# Altium PCB radxa_cm4_io_v1.10.PcbDoc (part 4 of 8) (continued)
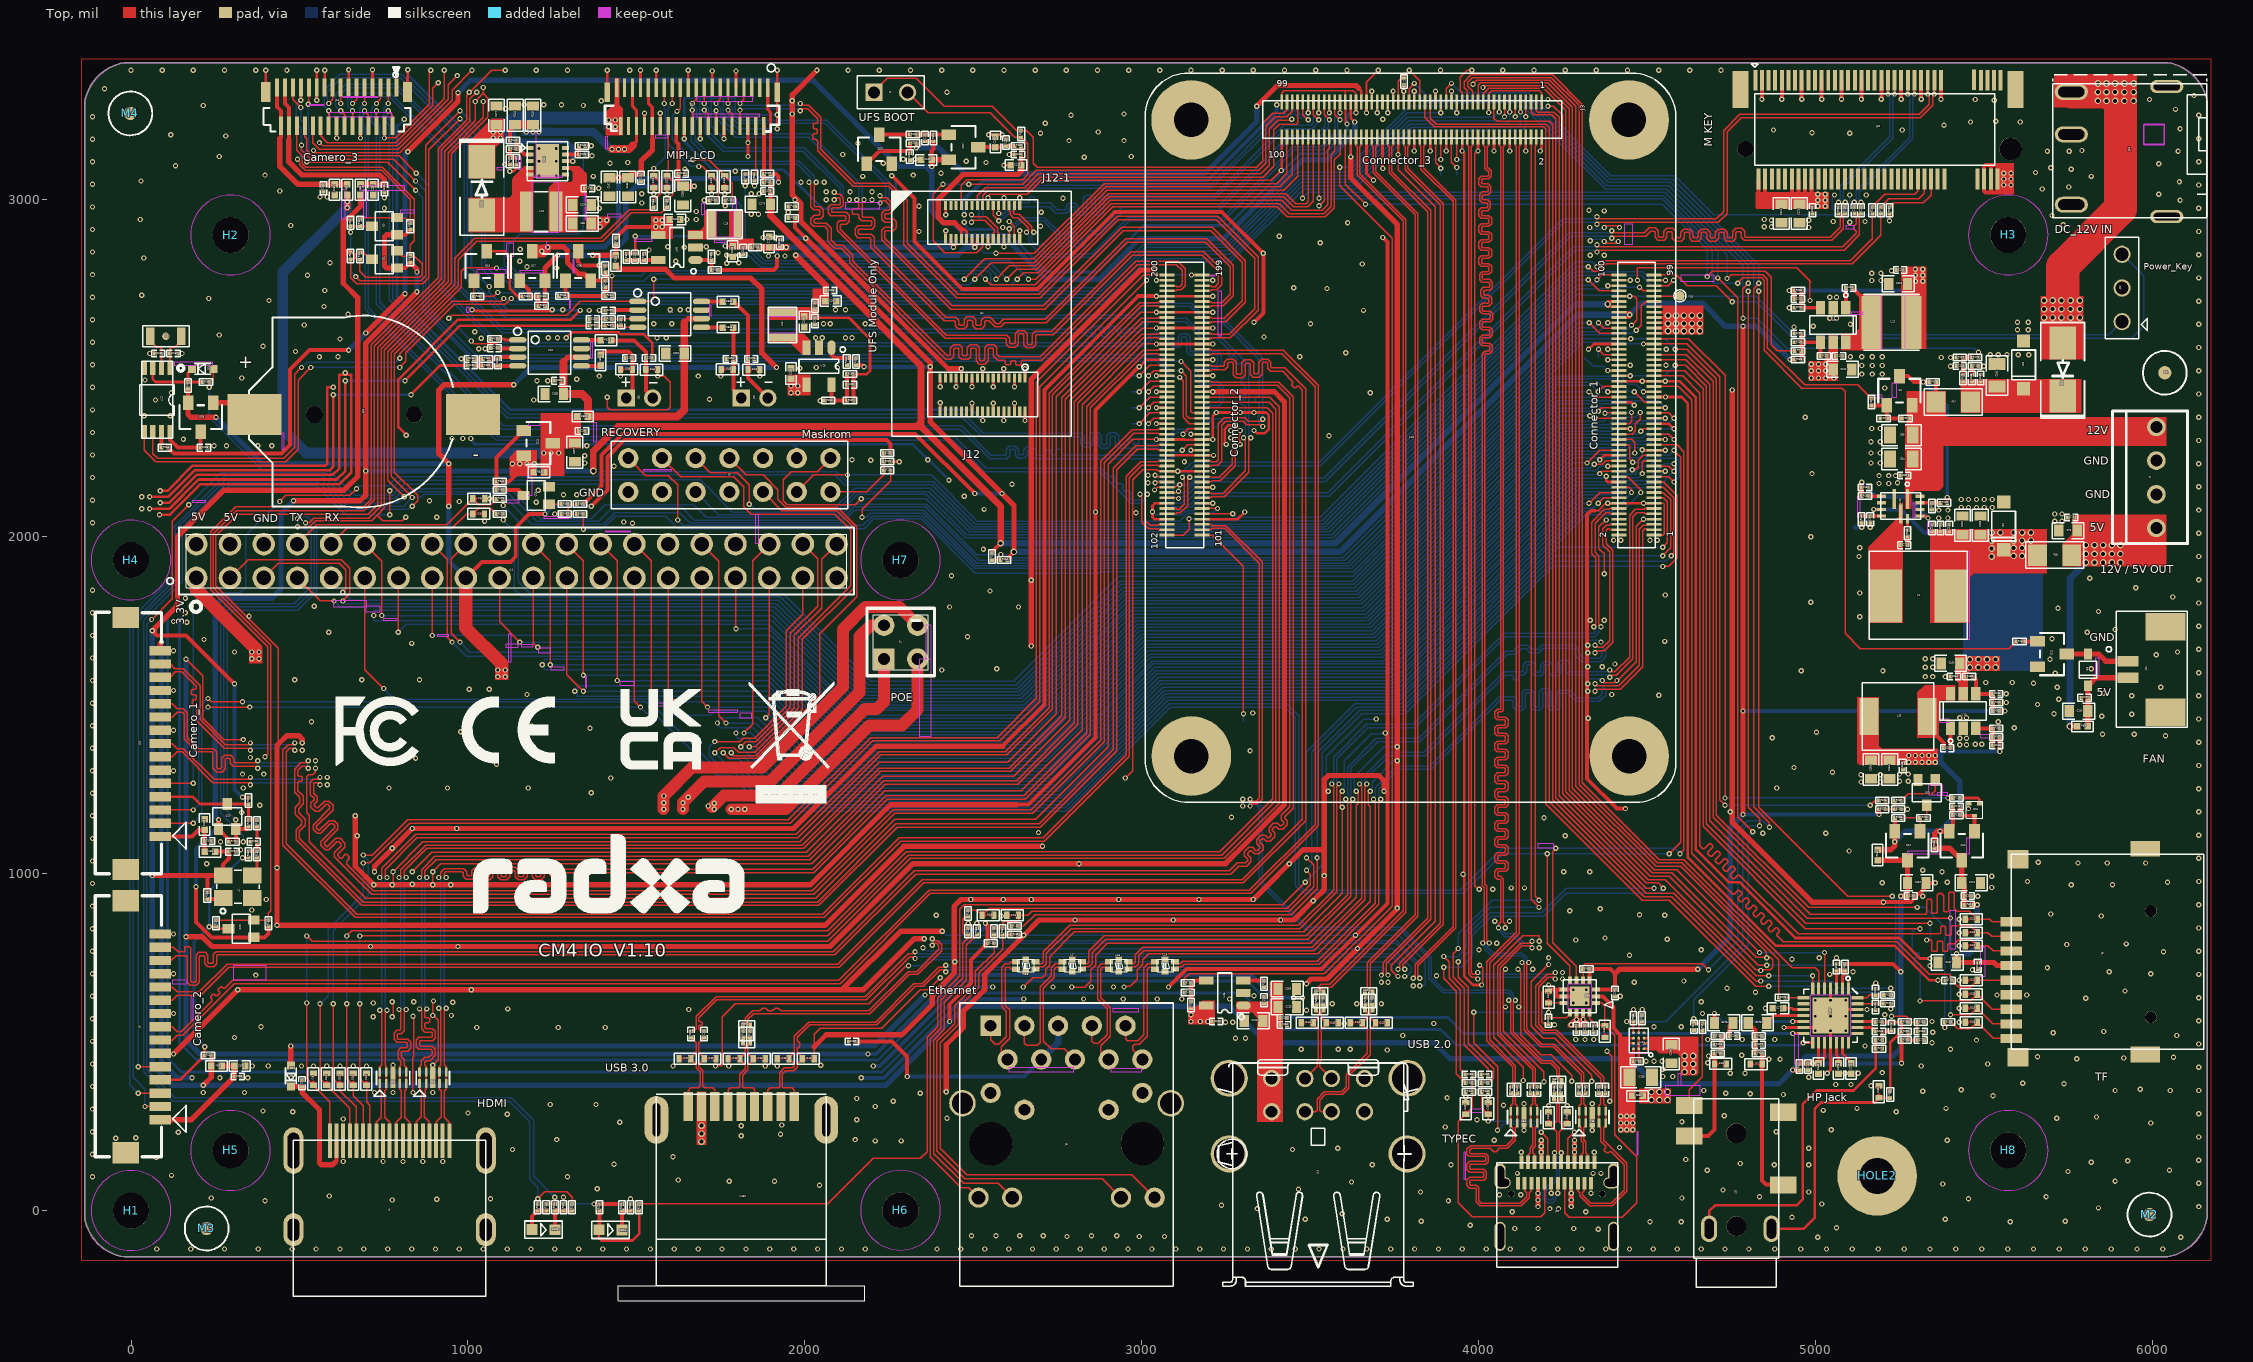
[diagram p0: Top view]
## Nets (pads, with @x,y where several pads share a name; then routed paths per layer and width w, separated by ;. In a path a pad name is that pad's centre, name@x,y a point inside that pad or via, vN(x,y) a via of type N, cw(c..) or ccw(c..) an arc to the next point about the centre after c; other vN are vias at no path point) (continued)
I2C_SCL_ES8388: C245.1 R29.2 U27.28 | length 82
  Top w3.94: U27.28@5124.02,631.89 5151.57,631.89 5159.45,639.76 C245.1@5177.17,639.76 R29.2@5202.76,639.76
I2C_SDA_ES8388: C246.1 R109.2 U27.27 | length 86.6
  Top w3.94: U27.27@5124.02,614.17 C246.1@5177.17,614.17 5206.69,614.17 R109.2@5202.76,614.17
INTB: P10.1 U33.164 | length 83.9
  Top w3.94: v1(3019.29,2477.17) 3035.04,2492.91 U33.164@3074.8,2492.91
  Bottom w3.94: v1(3019.29,2477.17) 3019.68,2476.77 P10.1@3019.68,2455.51
LCD_3V3: C182.1 C183.1 C184.1 Q16.2 Q17.3 R229.1 R232.1 R235.2 U20.1 U20.30 U20.31 | length 1902.1
  Top w9.84: U20.31@1535.43,3331.89 1535.43,3285.43 1547.24,3273.62 U20.30@1547.24,3218.71 1547.24,3179.13 ; U20.1@1889.76,3331.89 1889.76,3267.72 1897.64,3259.84 R229.1@1897.64,3076.77
  Top w11.81: Q16.2@1364.17,2759.84 R235.2@1407.48,2759.84 R232.1@1407.48,2785.43 ; R229.1@1897.64,3076.77 1913.39,3076.77 1921.26,3068.9 v1(1921.26,3051.18)
  Top w15: v1(1218.5,2846.46) 1218.5,2848.43 1230.32,2860.24 1283.46,2860.24 1295.28,2848.43 1295.28,2812.99 1328.74,2779.53 1344.48,2779.53 Q16.2@1364.17,2759.84
  Top w15.75: Q17.3@1190.94,2846.46 v1(1218.5,2846.46) ; C182.1@1419.29,3064.96 v1(1446.85,3064.96) C183.1@1474.41,3064.96 1484.25,3074.8 C184.1@1513.78,3074.8 1513.78,3114.17 1547.24,3147.64 1547.24,3179.13
  Bottom w15.75: v1(1218.5,2846.46) 1232.28,2860.24 1405.51,2860.24 1446.85,2901.57 1446.85,3049.21 ; v1(1446.85,3064.96) v1@1446.85,3062.99 ; v1(1921.26,3051.18) 1909.45,3062.99 1460.63,3062.99 ; 1446.85,3049.21 v1@1446.85,3062.99 ; 1446.85,3049.21 1460.63,3062.99 ; v1@1446.85,3062.99 1460.63,3062.99
  other v1: 1236.22,2858.27
LCD_LIGHT_EN: J3.78 R246.1 | length 3401
  Top w3.94: R246.1@1348.43,3159.45 v1(1366.14,3159.45) ; v1(2535.43,2763.78) 2551.18,2748.03 2683.53,2748.03 2913.84,2978.35 3401.57,2978.35 3431.1,2948.82 3543.31,2948.82 3570.87,2976.38 3570.87,3118.11 3587.8,3135.04 3587.8,3179.8 J3.78@3587.8,3185.83
  Bottom w3.94: v1(1366.14,3159.45) 1342.52,3135.83 1342.52,2913.39 1326.77,2897.64 1153.54,2897.64 1120.08,2864.17 1120.08,2809.06 1171.26,2757.87 1521.65,2757.87 1543.31,2779.53 2519.68,2779.53 v1(2535.43,2763.78)
LCD_PWM: J3.94 R247.1 | length 2942
  Top w3.94: v1(1108.27,3104.33) R247.1@1124.02,3104.33 ; v1(2503.94,2763.78) 2553.15,2812.99 2681.1,2812.99 2895.67,3027.56 3420.47,3027.56 3461.81,3068.9 3461.81,3181.4 J3.94@3461.82,3185.83
  Bottom w3.94: v1(1108.27,3104.33) 1108.27,2805.12 1165.35,2748.03 2488.19,2748.03 v1(2503.94,2763.78)
LCD_PWREN_H: J3.13 R262.1 | length 3337.8
  Top w3.94: R262.1@1037.4,2712.6 1076.77,2712.6 v1(1088.58,2724.41) ; v1(4091.73,3260.24) 4091.73,3276.2 J3.13@4091.74,3289.77
  Bottom w3.94: v1(1088.58,2724.41) 1133.86,2724.41 1149.54,2708.73 1163.32,2708.73 1163.39,2708.66 2887.8,2708.66 3017.72,2838.58 3259.84,2838.58 3472.44,3051.18 3622.05,3051.18 3795.28,3224.41 4079.92,3224.41 4091.73,3236.22 v1(4091.73,3260.24)
LCD_RESET: J3.80 R250.1 | length 2290
  Top w3.94: v1(1822.83,3041.34) R250.1@1822.83,3057.09 ; v1(2663.39,2763.78) 2685.04,2763.78 2909.45,2988.19 3407.48,2988.19 3437.01,2958.66 3539.37,2958.66 3561.02,2980.32 3561.02,3133.86 3572.05,3144.88 3572.05,3180.5 J3.80@3572.05,3185.83
  Bottom w3.94: v1(1822.83,3041.34) 1822.83,2875.98 1879.92,2818.9 2608.27,2818.9 v1(2663.39,2763.78)
LCD_RESET_1: R250.2 R251.1 U20.4 | length 171.1
  Top w3.94: R250.2@1822.83,3076.77 R251.1@1850.39,3076.77 1854.33,3080.71 U20.4@1854.33,3218.71
LIN1_ES8388: C247.1 U27.24 | length 54
  Top w7.87: U27.24@5124.02,561.02 5175.2,561.02 C247.1@5177.17,559.06
MASKROM: J17.14 U33.93 | length 3189.6
  Top w3.94: J17.14@2075.59,2232.68 2035.83,2192.91 1958.66,2192.91 1935.04,2169.29 1935.04,2106.3 1946.85,2094.49 2149.61,2094.49 v1(2167.32,2112.2) ; v1(4476.38,2740.16) 4487.4,2729.13 U33.93@4520.08,2729.13
  Bottom w3.94: v1(2167.32,2112.2) 2360.24,2112.2 2476.38,1996.06 3568.28,1996.06 4290.72,2718.5 4303.15,2718.5 4305.12,2716.54 4397.64,2716.54 4421.26,2740.16 v1(4476.38,2740.16)
MCLK: C195.1 R267.1 R268.1 R269.1 | length 98.4
  Top w7.87: R269.1@348.43,1066.93 R268.1@374.02,1066.93 C195.1@374.02,1094.49 R267.1@374.02,1139.76
MIC1P: D31.1 FB21.2 J25.5 | length 702.6
  Top w7.87: J25.5@4868.11,-54.33 4963.39,-54.33 4996.06,-21.65 4996.06,301.18 5015.75,320.87 5173.23,320.87 D31.1@5187.01,334.65 FB21.2@5220.47,334.65
MIC_INP_PHONE: C247.2 C276.1 FB21.1 R291.1 R305.1 | length 278.9
  Top w7.87: C247.2@5196.85,559.06 5220.47,559.06 C276.1@5224.41,555.12 5228.35,559.06 R305.1@5253.94,559.06 R291.1@5253.94,531.5 5220.47,498.03 FB21.1@5220.47,354.33
MIPI_CAM3_PDN2_1V8: J16.26 Q2.2 R9.1 R10.1 | length 1022.9
  Top w3.94: J16.26@492.12,3219.5 492.12,3145.91 507.87,3130.16 507.87,3106.5 517.91,3096.46 745.19,3096.46 840.55,3001.1 840.55,2877.71 828.74,2865.9 R9.1@828.74,2832.68 ; R10.1@679.13,2822.83 679.13,2787.4 696.85,2769.69 856.3,2769.69 864.17,2777.56 864.17,2809.06 840.55,2832.68 R9.1@828.74,2832.68 ; Q2.2@789.37,2848.42 805.12,2832.68 R9.1@828.74,2832.68
MIPI_CAM3_PDN_1V8: J16.23 U33.143 | length 3464.7
  Top w3.94: v1(521.65,3112.2) 521.65,3110.24 761.81,3110.24 v1(844.49,3027.56) ; v1(525.59,3283.46) 527.56,3285.44 J16.23@527.56,3332.68 ; v1(3112.2,2472.44) 3122.05,2462.6 3122.05,2354.33 3140.94,2335.43 U33.143@3178.74,2335.43
  Bottom w3.94: v1(521.65,3112.2) 527.56,3118.11 527.56,3228.35 525.59,3230.32 v1(525.59,3283.46) ; v1(844.49,3027.56) 866.14,3005.91 866.14,2669.97 1016.42,2519.69 3045.28,2519.69 3092.52,2472.44 v1(3112.2,2472.44)
MIPI_CAM3_PDN_3V3: J3.15 Q2.3 R8.1 R10.2 | length 4698.1
  Top w3.94: Q2.3@714.57,2822.83 710.63,2826.77 706.69,2826.77 690.94,2842.52 R10.2@679.13,2842.52 671.26,2842.52 665.35,2836.61 665.35,2826.77 661.42,2822.83 R8.1@651.57,2822.83 651.57,2767.72 669.29,2750 866.14,2750 883.86,2767.72 883.86,3147.64 v1(976.38,3240.16) ; v1(4075.98,3246.46) 4075.98,3278.4 J3.15@4075.99,3289.77
  Bottom w3.94: v1(976.38,3240.16) 1041.34,3175.2 1041.34,2795.28 1076.77,2759.84 1112.2,2759.84 1153.54,2718.5 2883.86,2718.5 3013.1,2847.75 3255.23,2847.75 3468.5,3061.02 3618.11,3061.02 3791.34,3234.25 4063.78,3234.25 v1(4075.98,3246.46)
MIPI_CAM3_RST_1V8: J16.27 Q3.2 R12.1 R13.1 | length 859.7
  Top w3.94: J16.27@480.31,3332.68 480.31,3297.25 v1(503.94,3273.62) ; v1(494.09,3120.08) 493.04,3119.02 500,3112.06 500,3103.24 516.62,3086.61 743.9,3086.61 828.74,3001.77 R12.1@828.74,2931.1 814.96,2944.88 791.34,2944.88 Q3.2@789.37,2946.85 685.04,2946.85 R13.1@679.13,2940.94
  Bottom w3.94: v1(494.09,3120.08) 519.69,3145.67 519.69,3220.47 503.94,3236.22 v1(503.94,3273.62)
MIPI_CAM3_RST_3V3: J3.17 Q3.3 R11.1 R13.2 | length 4750.5
  Top w3.94: v1(651.57,2903.54) R11.1@651.57,2921.26 R13.2@679.13,2921.26 Q3.3@714.57,2921.26 ; v1(667.32,2771.65) 679.13,2759.84 860.24,2759.84 874.02,2773.62 874.02,3161.42 v1(976.38,3263.78) ; v1(4060.24,3260.24) 4060.24,3276.1 J3.17@4060.24,3289.77
  Bottom w3.94: v1(651.57,2903.54) 651.57,2787.4 v1(667.32,2771.65) ; v1(976.38,3263.78) 1051.18,3188.98 1051.18,2803.15 1084.65,2769.69 1116.14,2769.69 1157.48,2728.35 2879.92,2728.35 3009.84,2858.27 3251.97,2858.27 3464.57,3070.87 3614.17,3070.87 3787.4,3244.09 4044.09,3244.09 v1(4060.24,3260.24)
MIPI_CSI0_CAM_CLKOUT_1V8: J3.63 Q20.2 R271.1 R272.1 | length 5602.8
  Top w3.94: Q20.2@311.02,1131.89 v1(311.02,1159.45) ; v1(517.72,2041.34) 529.1,2041.34 542.88,2055.12 706.02,2055.12 742.13,2091.23 742.13,2557.09 940.94,2755.91 940.94,3139.76 1045.28,3244.09 v1(1045.28,3291.34) ; v1(3698.03,3258.27) 3698.03,3279.6 J3.63@3698.04,3289.77
  Top w11.81: R271.1@311.02,1094.49 Q20.2@311.02,1131.89 340.55,1131.89 R272.1@348.43,1139.76
  Power w3.94: v1(1045.28,3291.34) 1072.83,3291.34 1090.55,3309.06 2045.28,3309.06 2143.7,3210.63 2618.11,3210.63 2716.54,3309.06 3647.24,3309.06 v1(3698.03,3258.27)
  Bottom w3.94: v1(311.02,1159.45) 275.59,1194.88 275.59,1771.65 295.28,1791.34 490.16,1791.34 543.31,1844.49 543.31,2015.75 v1(517.72,2041.34)
MIPI_CSI0_CAM_CLKOUT_3V3: J10.4 Q20.3 R267.2 R270.1 R272.2 | length 343.6
  Top w7.87: J10.4@86.61,1228.35 183.07,1228.35 204.73,1206.69 Q20.3@285.43,1206.69 R270.1@348.43,1206.69 ; R270.1@348.43,1206.69 R272.2@348.43,1159.45 R267.2@374.02,1159.45
MIPI_CSI1_CAM_CLKOUT_1V8: J3.65 Q19.2 R212.1 R266.1 | length 6008
  Top w3.94: R266.1@251.97,862.2 Q19.2@364.17,862.2 R212.1@407.48,862.2 407.48,881.99 415.35,889.86 415.35,1677.17 244.09,1848.43 244.09,2007.87 312.99,2076.77 690.27,2076.77 722.44,2108.94 722.44,2564.96 921.26,2763.78 921.26,3147.64 1005.91,3232.28 1005.91,3299.21 v1(1025.59,3318.9) ; J3.65@3682.29,3289.77 3682.29,3292.2 v1(3682.28,3321.26)
  Power w3.94: v1(1025.59,3318.9) 1067.91,3318.9 1077.76,3328.74 2053.15,3328.74 2151.57,3230.32 2610.24,3230.32 2708.66,3328.74 3674.8,3328.74 v1(3682.28,3321.26)
MIPI_CSI1_CAM_CLKOUT_3V3: J9.4 Q19.3 R211.1 R266.2 R269.2 | length 898.5
  Top w7.87: J9.4@86.61,387.8 145.67,387.8 R211.1@218.5,460.63 v1(218.5,486.22) ; v1(232.28,842.52) R266.2@251.97,842.52 257.87,836.61 Q19.3@289.37,836.61 ; v1(330.71,1047.24) R269.2@348.43,1047.24
  Bottom w7.87: v1(218.5,486.22) 187.01,517.72 187.01,797.24 v1(232.28,842.52) 232.28,948.82 v1(330.71,1047.24)
MIPI_CSI3_CAM_CLKOUT_1V8: J3.59 J16.20 | length 3490
  Top w3.94: J16.20@562.99,3219.5 562.99,3188.98 582.68,3169.29 785.43,3169.29 895.67,3279.53 895.67,3330.71 v1(911.42,3346.46) ; v1(3729.53,3258.27) J3.59@3729.53,3289.77
  Power w3.94: v1(911.42,3346.46) 1055.12,3346.46 1057.09,3348.43 2061.02,3348.43 2159.45,3250 2602.36,3250 2700.79,3348.43 3690.94,3348.43 3708.66,3330.71 3708.66,3293.31 3729.53,3272.44 v1(3729.53,3258.27)
MIPI_DPHY_CSI1_RX_CLKN: J10.8 U33.140 | length 4655.9
  Top w3.94: J10.8@86.61,1385.83 122.05,1385.83 136.81,1371.06 155.65,1371.06 247.19,1279.53 348.43,1279.53 v1(354.33,1285.43) ; 548.42,1184.85 546.38,1184.85 533.65,1197.58 533.65,1209.91 543.12,1219.37 543.12,1223.55 532.48,1234.18 532.48,1270.81 541.2,1279.53 541.34,1279.53 555.12,1279.53 v1(561.02,1285.43) ; 548.45,1184.85 556.7,1184.85 558.73,1184.88 579,1205.14 583.17,1205.14 590.13,1198.18 590.13,1194.01 540.32,1144.19 540.32,1131.86 553.04,1119.13 555.08,1119.13 563.37,1119.13 591.87,1147.64 598.43,1147.64 604.33,1141.73 604.33,1135.83 562.99,1094.49 562.99,1083.59 576.44,1070.15 578.47,1070.15 586.76,1070.15 611.1,1094.49 616.14,1094.49 624.02,1086.61 624.02,1082.68 603.35,1062.01 603.35,1050.13 714.5,938.98 2025.73,938.98 2265.89,1179.13 2675.2,1179.13 2887.8,1391.73 2887.8,2219.42 2975.27,2306.89 3046.26,2306.89 3049.21,2303.94 U33.140@3074.8,2303.94
  Bottom w3.94: v1(354.33,1285.43) 360.24,1279.53 555.12,1279.53 v1(561.02,1285.43)
MIPI_DPHY_CSI1_RX_CLKP: J10.7 U33.142 | length 4655.7
  Top w3.94: J10.7@86.61,1346.46 122.05,1346.46 136.81,1361.22 151.57,1361.22 243.11,1269.69 348.43,1269.69 v1(354.33,1263.78) ; v1(561.02,1263.78) 555.12,1269.69 545.28,1269.69 542.32,1266.73 542.32,1238.26 552.96,1227.62 552.96,1215.29 543.5,1205.83 543.5,1201.65 550.46,1194.69 554.63,1194.69 574.92,1214.98 587.25,1214.98 599.98,1202.26 599.98,1189.93 550.16,1140.11 550.16,1135.94 557.12,1128.98 559.29,1128.98 587.79,1157.48 602.5,1157.48 614.17,1145.81 614.17,1131.75 595.81,1113.39 573.55,1091.13 573.55,1086.95 580.51,1079.99 582.68,1079.99 607.03,1104.33 620.22,1104.33 633.86,1090.69 633.86,1078.6 613.19,1057.93 613.19,1054.2 621.45,1045.94 624.68,1045.94 635.83,1057.09 639.76,1057.09 647.64,1049.21 647.64,1045.12 639.76,1037.24 639.76,1027.63 718.57,948.82 2021.65,948.82 2261.81,1188.98 2295.28,1188.98 2671.12,1188.98 2877.95,1395.81 2877.95,2223.5 2971.19,2316.73 3046.26,2316.73 3049.21,2319.69 U33.142@3074.8,2319.69
  Bottom w3.94: v1(354.33,1263.78) 360.24,1269.69 555.12,1269.69 v1(561.02,1263.78)
MIPI_DPHY_CSI1_RX_D0N: J10.14 U33.128 | length 4645.8
  Top w3.94: J10.14@86.61,1622.05 116.14,1622.05 129.92,1608.27 154.6,1608.27 204.72,1558.14 204.72,1457.37 280.2,1381.89 348.43,1381.89 v1(354.33,1387.8) ; v1(486.22,1387.8) 480.31,1381.89 466.54,1381.89 450.79,1366.14 450.79,1084.65 665.35,870.08 2057.23,870.08 2283.6,1096.46 2710.63,1096.46 2962.6,1348.43 2962.6,2175.2 2999.8,2212.4 3046.26,2212.4 3049.21,2209.45 U33.128@3074.8,2209.45
  Bottom w3.94: v1(354.33,1387.8) 360.24,1381.89 480.31,1381.89 v1(486.22,1387.8)
MIPI_DPHY_CSI1_RX_D0P: J10.13 U33.130 | length 4650.2
  Top w3.94: J10.13@86.61,1582.68 116.14,1582.68 131.89,1598.43 150.52,1598.43 192.91,1556.03 192.91,1549.21 190.94,1547.24 183.07,1547.24 178.91,1543.08 178.91,1534.03 181.86,1531.08 190.01,1531.08 192.97,1528.13 192.97,1518.29 190.01,1515.33 184.82,1515.33 181.87,1512.38 181.87,1502.54 184.82,1499.59 189.96,1499.59 194.88,1494.66 194.88,1453.29 276.13,1372.05 348.43,1372.05 v1(354.33,1366.14) ; v1(486.22,1366.14) 480.31,1372.05 470.61,1372.05 460.63,1362.07 460.63,1088.72 669.43,879.92 2053.15,879.92 2279.53,1106.3 2322.83,1106.3 2706.55,1106.3 2952.76,1352.5 2952.76,2152.63 2952.76,2179.27 2995.73,2222.24 3046.26,2222.24 3049.21,2225.2 U33.130@3074.8,2225.2
  Bottom w3.94: v1(354.33,1366.14) 360.24,1372.05 480.31,1372.05 v1(486.22,1366.14)
MIPI_DPHY_CSI1_RX_D1N: J10.11 U33.134 | length 4650.4
  Top w3.94: J10.11@86.61,1503.94 122.05,1503.94 136.81,1489.17 155.58,1489.17 167.32,1477.43 167.32,1403.54 199.8,1371.06 244.23,1371.06 253.94,1361.36 253.94,1314.96 257.87,1311.02 265.75,1311.02 269.69,1314.96 269.69,1343.64 277.42,1351.38 295.42,1351.38 304.13,1342.66 304.13,1331.69 307.09,1328.74 370.08,1328.74 v1(375.98,1334.65) ; v1(525.59,1334.65) 519.69,1328.74 503.94,1328.74 485.24,1310.04 485.24,1242.06 500.98,1226.31 500.98,1210.77 487.2,1196.99 487.2,1176.64 506.89,1156.95 506.89,1147.11 489.63,1129.85 489.63,1100.92 685.04,905.51 2041.48,905.51 2273.76,1137.8 2698.82,1137.8 2925.2,1364.17 2925.2,2198.82 2986.02,2259.65 3046.26,2259.65 3049.21,2256.69 U33.134@3074.8,2256.69
  Bottom w3.94: v1(375.98,1334.65) 381.89,1328.74 519.69,1328.74 v1(525.59,1334.65)
MIPI_DPHY_CSI1_RX_D1P: J10.10 U33.136 | length 4637.5
  Top w3.94: J10.10@86.61,1464.57 122.05,1464.57 136.81,1479.33 151.5,1479.33 157.48,1473.36 157.48,1414.3 157.48,1399.47 195.73,1361.22 240.16,1361.22 243.11,1358.27 243.11,1311.87 253.8,1301.18 269.82,1301.18 279.53,1310.88 279.53,1339.57 281.5,1341.54 291.34,1341.54 294.29,1338.58 294.29,1327.62 303.01,1318.9 370.08,1318.9 v1(375.98,1312.99) ; v1(525.59,1312.99) 519.69,1318.9 508.01,1318.9 495.08,1305.96 495.08,1292.08 498.03,1289.12 505.61,1289.12 508.56,1286.17 508.56,1276.33 505.61,1273.38 498.47,1273.38 495.08,1269.98 495.08,1246.13 510.83,1230.38 510.83,1206.69 497.05,1192.91 497.05,1180.72 516.73,1161.03 516.73,1143.03 499.47,1125.77 499.47,1105 689.12,915.35 2037.4,915.35 2269.68,1147.64 2311.02,1147.64 2694.74,1147.64 2915.35,1368.25 2915.35,2193.97 2915.35,2202.9 2981.95,2269.49 3046.26,2269.49 3049.21,2272.44 U33.136@3074.8,2272.44
  Bottom w3.94: v1(375.98,1312.99) 381.89,1318.9 519.69,1318.9 v1(525.59,1312.99)
MIPI_DPHY_CSI2_CAM_CLKOUT: J11.22 U33.41 | length 4117
  Top w3.94: J11.22@1193.7,1977.56 1244.09,1927.17 v1(1244.09,1620.08) ; v1(4480.32,2312.99) 4487.01,2319.69 U33.41@4520.08,2319.69
  Bottom w3.94: v1(1244.09,1620.08) 1891.73,1620.08 2100.39,1411.42 2685.04,1411.42 2994.09,1720.47 3683.07,1720.47 4255.91,2293.31 4413.39,2293.31 4423.23,2303.15 4470.47,2303.15 v1(4480.32,2312.99)
MIPI_DPHY_CSI2_RX_CLKN: J9.8 U33.169 | length 5398
  Top w3.94: J9.8@86.61,545.28 122.05,545.28 136.81,530.51 149.47,530.51 239.95,620.99 239.95,626.99 236.1,630.83 236.1,635.01 243.06,641.97 247.23,641.97 251.51,637.69 255.69,637.69 262.65,644.65 262.65,648.83 258.64,652.84 258.64,657.02 265.6,663.98 269.77,663.98 274.26,659.48 278.44,659.48 302.03,683.07 335.56,683.07 2100.39,683.07 2368.11,950.79 3318.9,950.79 3513.78,1145.67 3513.78,2444.74 3415.41,2543.11 3207.68,2543.11 3204.72,2540.16 U33.169@3178.74,2540.16
MIPI_DPHY_CSI2_RX_CLKP: J9.7 U33.171 | length 5396.8
  Top w3.94: J9.7@86.61,505.91 122.05,505.91 136.81,520.67 153.54,520.67 306.1,673.23 2061.02,673.23 2104.47,673.23 2372.19,940.95 3322.97,940.95 3523.62,1141.59 3523.62,1211.54 3523.62,2403.54 3523.62,2448.82 3419.49,2552.95 3207.68,2552.95 3204.72,2555.91 U33.171@3178.74,2555.91
MIPI_DPHY_CSI2_RX_D0N: J9.14 U33.157 | length 5402.7
  Top w3.94: J9.14@86.61,781.5 125.98,781.5 139.76,767.72 157.48,767.72 159.45,769.69 159.45,781.5 161.42,783.46 173.23,783.46 177.17,779.53 177.17,681.1 180.12,678.15 189.96,678.15 192.91,681.1 192.91,758.01 201.63,766.73 219.63,766.73 228.35,758.01 228.35,736.22 231.3,733.27 241.14,733.27 244.09,736.22 244.09,759.98 252.81,768.7 2084.51,768.7 2324.07,1008.26 3259.18,1008.26 3282.79,1031.87 3306.41,1031.87 3313.37,1038.83 3313.37,1043.01 3303.91,1052.47 3303.91,1064.8 3316.63,1077.53 3328.96,1077.53 3338.43,1068.07 3342.6,1068.07 3349.56,1075.03 3349.56,1079.2 3340.1,1088.66 3340.1,1100.99 3352.82,1113.72 3365.15,1113.72 3372.65,1106.22 3376.82,1106.22 3383.78,1113.18 3383.78,1117.36 3377.27,1123.87 3377.27,1136.2 3390,1148.93 3402.33,1148.93 3409.82,1141.43 3414,1141.43 3420.96,1148.39 3420.96,1152.57 3413.46,1160.06 3413.46,1172.39 3438.98,1197.9 3438.98,2411.42 3401.77,2448.62 3207.68,2448.62 3204.72,2445.67 U33.157@3178.74,2445.67
MIPI_DPHY_CSI2_RX_D0P: J9.13 U33.159 | length 5402.7
  Top w3.94: J9.13@86.61,742.13 120.08,742.13 134.85,756.89 164.37,756.89 167.32,753.94 167.32,677.03 176.04,668.31 194.04,668.31 202.76,677.03 202.76,753.94 205.71,756.89 215.55,756.89 218.5,753.94 218.5,732.14 227.22,723.43 245.22,723.43 253.94,732.14 253.94,755.91 256.89,758.86 2088.58,758.86 2328.14,998.42 3263.25,998.42 3286.87,1022.03 3308.42,1022.03 ; U33.159@3178.74,2461.42 3204.72,2461.42 3207.68,2458.46 3405.85,2458.46 3448.82,2415.49 3448.82,1193.83 3423.31,1168.31 3423.31,1164.14 3430.8,1156.64 3430.8,1144.31 3418.08,1131.59 3416.04,1131.59 ; 3308.45,1022.03 3310.49,1022.03 3323.21,1034.76 3323.21,1047.09 3313.75,1056.55 3313.75,1060.73 3320.71,1067.69 3324.89,1067.69 3334.32,1058.25 3336.35,1058.22 3344.61,1058.22 ; 3344.64,1058.22 3346.68,1058.22 3359.4,1070.95 3359.4,1083.28 3349.94,1092.74 3349.94,1096.92 3356.9,1103.88 3361.08,1103.88 3368.55,1096.41 3370.58,1096.38 3378.83,1096.38 3380.9,1096.38 3393.63,1109.11 3393.63,1121.44 3387.11,1127.95 3387.11,1132.12 3394.07,1139.08 3398.25,1139.08 3405.72,1131.61 3407.75,1131.59 3416,1131.59
MIPI_DPHY_CSI2_RX_D1N: J9.11 U33.163 | length 5397.9
  Top w3.94: J9.11@86.61,663.39 122.05,663.39 136.81,648.62 202.62,648.62 285.29,731.3 2097.44,731.3 2348.43,982.28 3297.1,982.28 3476.38,1161.56 3476.38,2434.9 3464.95,2446.32 3460.78,2446.32 3456.01,2441.55 3451.83,2441.55 3444.87,2448.51 3444.87,2452.69 3448.13,2455.95 3448.13,2460.12 3417.11,2491.14 3381.55,2491.14 3372.83,2499.86 3372.83,2513.78 3369.88,2516.73 3360.04,2516.73 3357.09,2513.78 3357.09,2482.14 3348.37,2473.43 3330.37,2473.43 3321.65,2482.14 3321.65,2511.81 3318.7,2514.76 3308.86,2514.76 3305.91,2511.81 3305.91,2480.18 3297.19,2471.46 3279.19,2471.46 3270.47,2480.18 3270.47,2513.78 3267.52,2516.73 3257.68,2516.73 3254.72,2513.78 3254.72,2504.58 3246.01,2495.87 3207.68,2495.87 3204.72,2492.91 U33.163@3178.74,2492.91
MIPI_DPHY_CSI2_RX_D1P: J9.10 U33.165 | length 5415.1
  Top w3.94: J9.10@86.61,624.02 122.05,624.02 136.81,638.78 206.69,638.78 289.37,721.46 2101.52,721.46 2352.5,972.44 3301.18,972.44 3486.22,1157.48 3486.22,1252.88 3486.22,2387.8 3486.22,2438.98 3424.21,2500.98 3385.63,2500.98 3382.68,2503.94 3382.68,2517.86 3373.96,2526.57 3355.96,2526.57 3347.24,2517.86 3347.24,2486.22 3344.29,2483.27 3334.45,2483.27 3331.5,2486.22 3331.5,2515.89 3322.78,2524.61 3304.78,2524.61 3296.06,2515.89 3296.06,2484.25 3293.11,2481.3 3283.27,2481.3 3280.31,2484.25 3280.31,2517.86 3271.6,2526.57 3253.6,2526.57 3244.88,2517.86 3244.88,2508.66 3241.93,2505.71 3207.68,2505.71 3204.72,2508.66 U33.165@3178.74,2508.66
MIPI_DPHY_CSI3_RX_CLKN: J16.17 U33.127 | length 4009.7
  Top w3.94: v1(586.61,3285.43) 598.42,3297.24 J16.17@598.42,3332.68 ; U33.127@3178.74,2209.45 3204.72,2209.45 3207.68,2212.4 3224.41,2212.4 3236.22,2224.21 3236.22,2330.71 3248.03,2342.52 3301.18,2342.52 3311.02,2332.68 3352.36,2332.68 v1(3358.27,2326.77)
  Bottom w3.94: v1(586.61,3285.43) 582.68,3289.37 582.68,3320.73 624.16,3362.2 799.07,3362.2 988.19,3173.09 988.19,2771.51 1112.06,2647.64 1539.37,2647.64 2978.49,2647.64 3013.92,2683.07 3142.72,2683.07 3187.99,2637.8 3236.08,2637.8 3348.43,2525.45 3348.43,2417.67 3344.14,2413.39 3339.06,2413.39 3336.11,2410.43 3336.11,2400.59 3339.06,2397.64 3345.47,2397.64 3348.43,2394.69 3348.43,2361.22 3344.49,2357.28 3344.49,2340.55 v1(3358.27,2326.77)
MIPI_DPHY_CSI3_RX_CLKP: J16.18 U33.129 | length 4014.2
  Top w3.94: J16.18@586.61,3219.5 586.61,3251.97 v1(586.61,3263.78) ; U33.129@3178.74,2225.2 3204.72,2225.2 3207.68,2222.24 3220.33,2222.24 3226.38,2228.29 3226.38,2334.79 3243.95,2352.36 3303.15,2352.36 3305.26,2352.36 3315.1,2342.52 3352.36,2342.52 v1(3358.27,2348.43)
  Bottom w3.94: v1(586.61,3263.78) 572.83,3277.56 572.83,3324.8 620.08,3372.05 803.15,3372.05 998.03,3177.17 998.03,2775.59 1116.14,2657.48 2974.41,2657.48 3009.84,2692.91 3146.79,2692.91 3192.07,2647.64 3240.16,2647.64 3358.27,2529.53 v1(3358.27,2348.43)
MIPI_DPHY_CSI3_RX_D0N: J16.14 U33.115 | length 4000.8
  Top w3.94: v1(622.05,3263.78) 633.86,3251.97 J16.14@633.86,3219.5 ; U33.115@3178.74,2114.96 3204.72,2114.96 3207.68,2117.91 3244.09,2117.91 3316.93,2190.75 3316.93,2287.4 v1(3322.83,2293.31)
  Bottom w3.94: v1(622.05,3263.78) 608.27,3277.56 608.27,3312.99 637.8,3342.52 787.54,3342.52 962.6,3167.46 962.6,2758.01 1105.45,2615.16 2833.2,2615.16 2845.02,2603.35 2847.9,2603.35 2850.85,2606.3 2850.85,2616.28 2859.57,2625 2877.57,2625 2886.28,2616.28 2886.28,2606.3 2889.24,2603.35 2899.08,2603.35 2902.03,2606.3 2902.03,2616.28 2910.75,2625 2928.75,2625 2937.46,2616.28 2937.46,2606.3 2940.42,2603.35 2950.26,2603.35 2953.21,2606.3 2953.21,2608.86 2961.93,2617.58 2989.63,2617.58 3019.68,2647.64 3132.03,2647.64 3179.27,2600.39 3226.38,2600.39 3316.93,2509.84 3316.93,2299.21 v1(3322.83,2293.31)
MIPI_DPHY_CSI3_RX_D0P: J16.15 U33.117 | length 4008.7
  Top w3.94: v1(622.05,3285.43) 622.05,3299.49 J16.15@622.05,3332.68 ; U33.117@3178.74,2130.71 3204.72,2130.71 3207.68,2127.76 3240.02,2127.76 3307.09,2194.82 3307.09,2287.4 v1(3301.18,2293.31)
  Bottom w3.94: v1(622.05,3285.43) 618.11,3289.37 618.11,3308.92 641.87,3332.68 783.46,3332.68 952.76,3163.39 952.76,2753.94 1101.38,2605.32 2829.13,2605.32 2840.94,2593.5 2851.98,2593.5 2860.69,2602.22 2860.69,2612.2 2863.65,2615.16 2873.49,2615.16 2876.44,2612.2 2876.44,2602.22 2885.16,2593.5 2903.16,2593.5 2911.87,2602.22 2911.87,2612.2 2914.83,2615.16 2924.67,2615.16 2927.62,2612.2 2927.62,2602.22 2936.34,2593.5 2954.34,2593.5 2963.06,2602.22 2963.06,2604.79 2966.01,2607.74 2993.71,2607.74 3023.76,2637.8 3127.95,2637.8 3175.2,2590.55 3222.3,2590.55 3259.71,2553.14 3259.71,2548.29 3255.5,2544.08 3255.5,2539.9 3262.46,2532.94 3266.64,2532.94 3270.12,2536.43 3274.3,2536.43 3281.26,2529.47 3281.26,2525.29 3278.58,2522.61 3278.58,2518.44 3285.54,2511.48 3289.71,2511.48 3293.46,2515.22 3297.63,2515.22 3307.09,2505.77 3306.95,2505.63 3306.95,2471.46 3304,2468.5 3297.32,2468.5 3294.37,2465.55 3294.37,2455.71 3297.32,2452.76 3304,2452.76 3306.95,2449.8 3306.95,2439.96 3304,2437.01 3297.32,2437.01 3294.37,2434.06 3294.37,2424.21 3297.32,2421.26 3303.94,2421.26 3306.9,2418.31 3306.9,2408.46 3303.94,2405.51 3297.44,2405.51 3294.49,2402.56 3294.49,2392.72 3297.44,2389.76 3304.13,2389.76 3307.09,2386.81 3307.09,2328.4 3307.09,2299.21 v1(3301.18,2293.31)
MIPI_DPHY_CSI3_RX_D1N: J16.11 U33.121 | length 4006.9
  Top w3.94: v1(657.48,3285.43) 669.29,3297.24 J16.11@669.29,3332.68 ; U33.121@3178.74,2162.2 3204.72,2162.2 3208.24,2165.72 3232.85,2165.72 3277.56,2210.43 3277.56,2301.18 v1(3263.78,2314.96)
  Bottom w3.94: v1(657.48,3285.43) 658.39,3286.35 653.54,3291.2 653.54,3299.07 659.59,3305.12 765.61,3305.12 915.35,3155.37 915.35,2736.08 1086.47,2564.96 3008.01,2564.96 3036.56,2593.5 3078.74,2593.5 3081.69,2590.55 3081.69,2570.73 3090.41,2562.01 3108.41,2562.01 3117.13,2570.73 3117.13,2588.58 3120.08,2591.54 3129.92,2591.54 3132.87,2588.58 3132.87,2548.09 3141.59,2539.37 3222.44,2539.37 3225.39,2536.42 3225.39,2515.75 3218.5,2508.86 3169.22,2508.86 3156.5,2496.13 3156.5,2468.43 3173.16,2451.77 3220.47,2451.77 3230.32,2441.93 3230.32,2405.51 3223.43,2398.62 3196.78,2398.62 3184.06,2385.9 3184.06,2354.19 3197.69,2340.55 3209.65,2340.55 3212.6,2337.6 3212.6,2327.29 3215.55,2324.34 3225.39,2324.34 3228.35,2327.29 3228.35,2337.61 3231.29,2340.55 3266.66,2340.55 3271.65,2335.56 3271.65,2330.71 3263.78,2322.83 v1(3263.78,2314.96)
MIPI_DPHY_CSI3_RX_D1P: J16.12 U33.123 | length 4015.4
  Top w3.94: J16.12@657.48,3219.5 657.48,3251.97 v1(657.48,3263.78) ; U33.123@3178.74,2177.95 3204.72,2177.95 3207.12,2175.56 3228.77,2175.56 3267.72,2214.51 3267.72,2289.37 v1(3263.78,2293.31)
  Bottom w3.94: v1(657.48,3263.78) 643.7,3277.56 643.7,3303.15 655.51,3314.96 769.69,3314.96 925.2,3159.45 925.2,2740.16 1090.55,2574.8 3003.94,2574.8 3032.48,2603.35 3082.82,2603.35 3091.54,2594.63 3091.54,2574.8 3094.49,2571.85 3104.33,2571.85 3107.28,2574.8 3107.28,2592.66 3116,2601.38 3134,2601.38 3142.72,2592.66 3142.72,2552.17 3145.67,2549.21 3226.52,2549.21 3235.24,2540.49 3235.24,2511.67 3222.58,2499.02 3173.3,2499.02 3166.34,2492.06 3166.34,2472.51 3177.24,2461.61 3224.55,2461.61 3240.16,2446.01 3240.16,2399.61 3229.33,2388.78 3200.86,2388.78 3193.9,2381.82 3193.9,2358.27 3201.77,2350.39 3270.74,2350.39 3281.5,2339.64 3281.5,2325.62 3277.56,2321.68 3277.56,2307.09 v1(3263.78,2293.31)
MIPI_DPHY_CSI4_RX_CLKN: J16.8 U33.104 | length 3399.3
  Top w3.94: v1(692.91,3263.78) 704.72,3251.97 J16.8@704.72,3219.5 ; v1(2994.09,2125.98) 3000,2120.08 3000,2043.24 3019.81,2023.43 3046.26,2023.43 3049.21,2020.47 U33.104@3074.8,2020.47
  Bottom w3.94: v1(692.91,3263.78) 688.98,3259.84 688.98,3218.5 704.72,3202.76 704.72,2679.27 1087.74,2296.26 2444.04,2296.26 2537.54,2202.76 2878.09,2202.76 2903.16,2177.69 2907.33,2177.69 2910.95,2181.31 2915.12,2181.31 2922.08,2174.35 2922.08,2170.17 2919.09,2167.18 2919.09,2163.01 2926.05,2156.05 2930.23,2156.05 2933,2158.82 2937.18,2158.82 2944.14,2151.86 2944.14,2147.68 2941.46,2145 2941.46,2140.83 2948.42,2133.87 2952.59,2133.87 2955.23,2136.51 2959.41,2136.51 2966.37,2129.55 2966.37,2125.38 2963.73,2122.73 2963.73,2117.12 2972.58,2108.27 2993.95,2108.27 3000,2114.31 3000,2120.08 v1(2994.09,2125.98)